# Altium PCB PCB_15122020_01BC.PcbDoc (part 8 of 9) (continued)
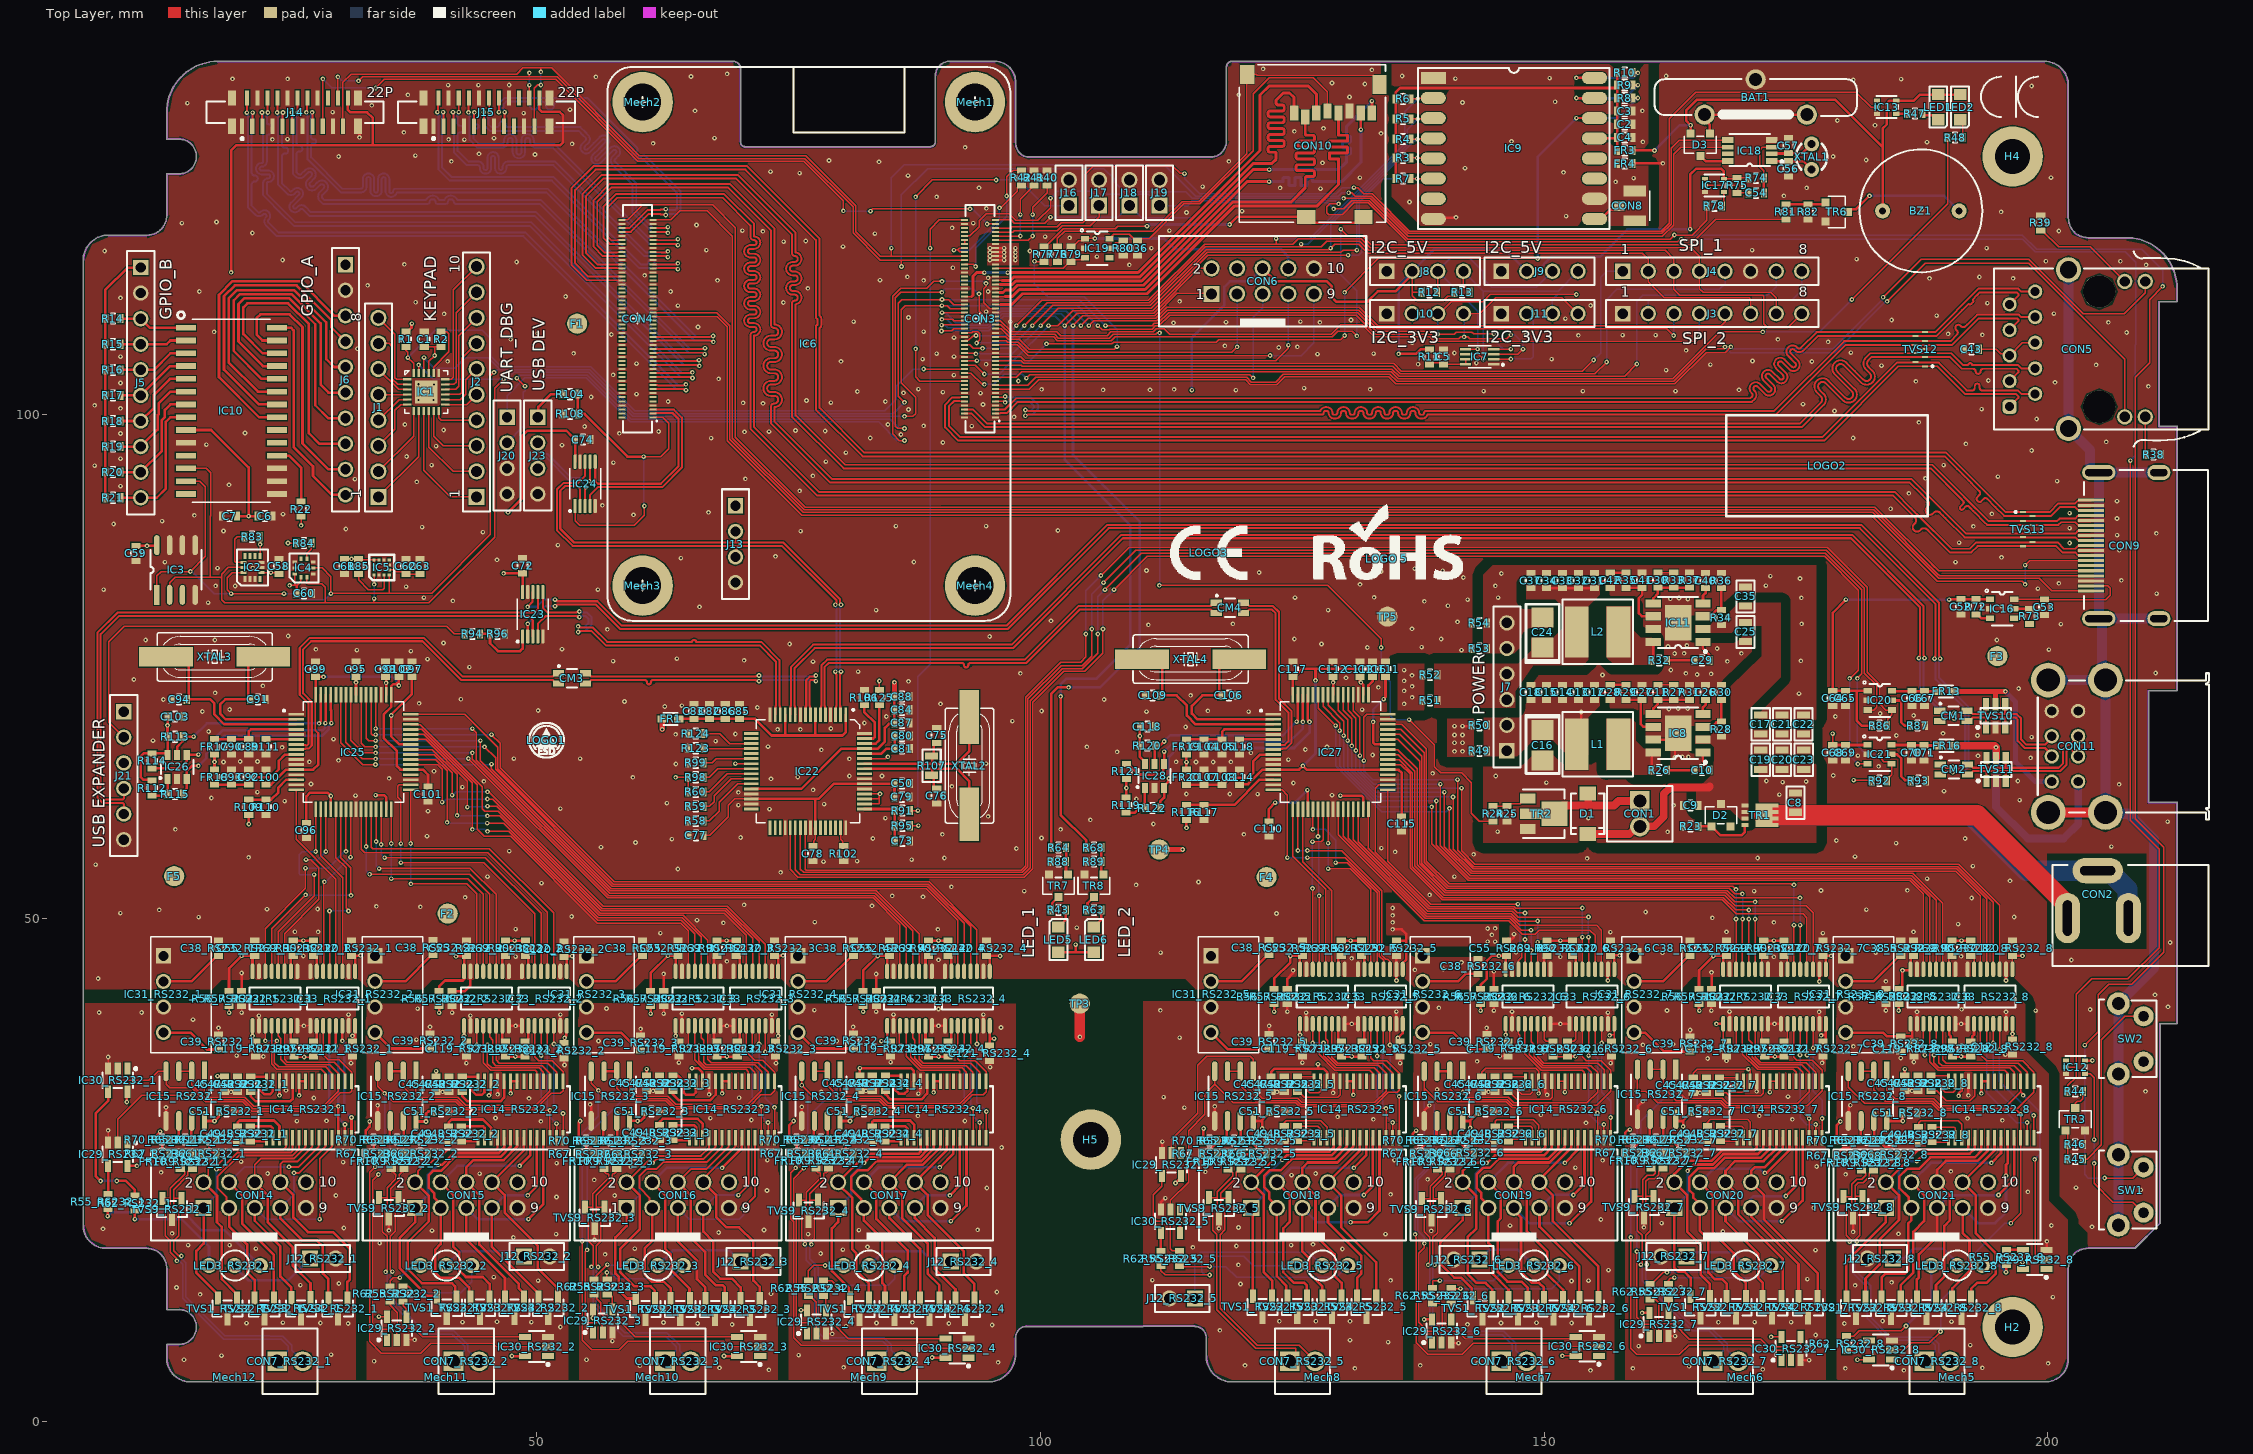
[diagram p0: Top Layer view]
## Nets (pads, with @x,y where several pads share a name; then routed paths per layer and width w, separated by ;. In a path a pad name is that pad's centre, name@x,y a point inside that pad or via, vN(x,y) a via of type N, cw(c..) or ccw(c..) an arc to the next point about the centre after c; other vN are vias at no path point) (continued)
  Top Layer w0.127: IC15_RS232_8.3@181.464,34.79 IC15_RS232_8.2@182.734,34.79 182.734,32.966 183.88,31.82 188.595,31.82 189.286,31.129 197.018,31.129 198.6,32.711 198.6,34.7 197.491,35.809 193.941,35.809 193.313,36.437 IC33_RS232_8.11@193.313,39.5
TTL_RTS_RS232_1: IC14_RS232_1.14 IC33_RS232_1.14 | length 11.5
  Top Layer w0.254: v1(30.692,37.8) IC33_RS232_1.14@30.692,39.3 ; v1(31.6,30.2) 31.605,30.195 IC14_RS232_1.14@31.605,28.2
  Bottom Layer w0.254: v1(30.692,37.8) 30.692,37.747 30.9,37.539 30.9,30.9 v1(31.6,30.2)
TTL_RTS_RS232_2: IC14_RS232_2.14 IC33_RS232_2.14 | length 11.5
  Top Layer w0.127: IC33_RS232_2.14@51.693,39.3 51.696,39.296 51.696,37.504 v1(51.7,37.5) ; v1(52.6,30.6) 52.605,30.595 IC14_RS232_2.14@52.605,28.2
  Bottom Layer w0.127: v1(51.7,37.5) 51.7,31.5 v1(52.6,30.6)
TTL_RTS_RS232_3: IC14_RS232_3.14 IC33_RS232_3.14 | length 11.5
  Top Layer w0.127: v1(72.692,36.7) IC33_RS232_3.14@72.692,39.3 ; v1(73.6,31.2) 73.603,31.197 73.603,28.203 IC14_RS232_3.14@73.605,28.2
  Bottom Layer w0.127: v1(72.692,36.7) 72.692,32.108 v1(73.6,31.2)
TTL_RTS_RS232_4: IC14_RS232_4.14 IC33_RS232_4.14 | length 11.5
  Top Layer w0.127: v1(93.692,37.5) IC33_RS232_4.14@93.692,39.3 ; IC14_RS232_4.14@94.605,28.2 94.605,30.78 v1(94.625,30.8)
  Bottom Layer w0.127: v1(93.692,37.5) 93.692,31.732 v1(94.625,30.8)
TTL_RTS_RS232_5: IC14_RS232_5.14 IC33_RS232_5.14 | length 11.7
  Top Layer w0.127: IC33_RS232_5.14@134.692,39.5 134.696,39.496 134.696,37.404 v1(134.7,37.4) ; v1(135.6,32.3) 135.605,32.295 IC14_RS232_5.14@135.605,28.2
  Bottom Layer w0.127: v1(134.7,37.4) 134.7,33.2 v1(135.6,32.3)
TTL_RTS_RS232_6: IC14_RS232_6.14 IC33_RS232_6.14 | length 11.7
  Top Layer w0.127: IC33_RS232_6.14@155.693,39.5 155.696,39.496 155.696,37.604 v1(155.7,37.6) ; IC14_RS232_6.14@156.605,28.2 v1(156.605,30.2)
  Bottom Layer w0.127: v1(155.7,37.6) 155.7,32.7 156.605,31.795 v1(156.605,30.2)
TTL_RTS_RS232_7: IC14_RS232_7.14 IC33_RS232_7.14 | length 11.7
  Top Layer w0.127: IC33_RS232_7.14@176.692,39.5 176.696,39.496 176.696,37.104 v1(176.7,37.1) ; v1(177.6,30.1) 177.603,30.097 177.603,28.203 IC14_RS232_7.14@177.605,28.2
  Bottom Layer w0.127: v1(176.7,37.1) 176.7,32.8 177.6,31.9 v1(177.6,30.1)
TTL_RTS_RS232_8: IC14_RS232_8.14 IC33_RS232_8.14 | length 12.7
  Top Layer w0.127: v1(195.2,36.935) 195.209,36.944 195.209,39.491 IC33_RS232_8.14@195.218,39.5 ; v1(198.6,30.4) 198.603,30.397 198.603,28.203 IC14_RS232_8.14@198.605,28.2
  Bottom Layer w0.127: v1(195.2,36.935) 195.2,33.8 v1(198.6,30.4)
TTL_RX_RS232_1: IC14_RS232_1.17 IC15_RS232_1.1 IC29_RS232_1.2 IC32_RS232_1.5 | length 40.3
  Top Layer w0.127: IC29_RS232_1.2@8.4,27.7 8.4,30 10.803,32.403 15.797,32.403 v1(15.8,32.4) ; IC15_RS232_1.1@17.005,34.79 17.005,32.767 17.572,32.2 21,32.2 21.903,31.297 28.793,31.297 30.3,32.805 30.3,34.6 29.443,35.457 25.137,35.457 24.6,35.995 24.6,38.012 24.318,38.295 IC32_RS232_1.5@24.318,39.3
  Bottom Layer w0.127: v1(15.8,32.4) 16.406,33.006 16.706,33.006 v1(17,33.3)
TTL_RX_RS232_2: IC14_RS232_2.17 IC15_RS232_2.1 IC29_RS232_2.2 IC32_RS232_2.5 | length 57.6
  Top Layer w0.127: v1(34.275,24.539) 33.7,23.964 33.7,9.759 34.265,9.195 35.763,9.195 36.093,8.865 IC29_RS232_2.2@36.093,8.121 ; v1(38,33.3) 38,32.797 38.597,32.2 42.15,32.2 42.95,31.4 49.9,31.4 51.305,32.805 IC14_RS232_2.17@51.305,33.8 51.305,34.6 50.548,35.357 45.943,35.357 45.63,35.67 45.63,37.887 45.317,38.2 IC32_RS232_2.5@45.317,39.3 ; v1@38.005,33.3 IC15_RS232_2.1@38.005,34.79
  Bottom Layer w0.127: v1(34.275,24.539) 35.4,25.664 35.4,31.867 36.833,33.3 v1(38,33.3)
TTL_RX_RS232_3: IC14_RS232_3.17 IC15_RS232_3.1 IC29_RS232_3.2 IC32_RS232_3.5 | length 55.1
  Top Layer w0.127: v1(55,17.06) 54.8,16.86 54.8,10.035 55.035,9.8 56.2,9.8 56.5,9.5 56.5,8.9 IC29_RS232_3.2@56.55,8.85 ; IC15_RS232_3.1@59.205,34.79 59.205,32.995 59.9,32.3 63,32.3 63.8,31.5 70.95,31.5 72.3,32.85 72.3,33.795 IC14_RS232_3.17@72.305,33.8 72.305,34.745 71.628,35.422 66.824,35.422 66.548,35.698 66.548,37.869 66.318,38.1 IC32_RS232_3.5@66.318,39.3
  Bottom Layer w0.127: v1(55,17.06) 55,28.422 v1(59.373,32.795)
TTL_RX_RS232_4: IC14_RS232_4.17 IC15_RS232_4.1 IC29_RS232_4.2 IC32_RS232_4.5 | length 55.9
  Top Layer w0.127: v1(76.512,25.15) 75.5,24.138 75.5,20.45 75.75,20.2 75.75,10.225 76.175,9.8 77.45,9.8 77.725,9.525 77.725,8.775 IC29_RS232_4.2@77.75,8.75 ; IC15_RS232_4.1@80.105,34.79 80.105,32.862 80.667,32.3 84.2,32.3 84.9,31.6 92.05,31.6 93.3,32.85 93.3,34.7 92.643,35.357 88.244,35.357 87.54,36.062 87.54,37.891 87.318,38.113 IC32_RS232_4.5@87.318,39.3
  Bottom Layer w0.127: v1(76.512,25.15) 77.5,26.138 77.5,30.8 v1(80.1,33.4)
TTL_RX_RS232_5: IC14_RS232_5.17 IC15_RS232_5.1 IC29_RS232_5.2 IC32_RS232_5.5 | length 44.6
  Top Layer w0.127: IC29_RS232_5.2@113,26.672 113,27.998 115.6,30.598 115.6,35.4 116.5,36.3 120.806,36.3 121.105,36.001 IC15_RS232_5.1@121.105,34.79 121.105,32.995 122,32.1 125.534,32.1 125.934,31.7 133.188,31.7 134.305,32.817 IC14_RS232_5.17@134.305,33.8 134.305,34.6 133.543,35.362 129.405,35.362 128.5,36.268 128.5,37.8 128.297,38.003 IC32_RS232_5.5@128.297,39.5
TTL_RX_RS232_6: IC14_RS232_6.17 IC15_RS232_6.1 IC29_RS232_6.2 IC32_RS232_6.5 | length 58.7
  Top Layer w0.127: v1(138.1,17.7) 138.1,17.271 137.529,16.7 137.529,9.871 138.4,9 139.6,9 139.829,8.771 IC29_RS232_6.2@139.829,7.85 ; IC15_RS232_6.1@141.905,34.79 v1(141.905,32.695) 142.4,32.2 146.443,32.2 147,31.643 154.243,31.643 155.303,32.703 155.303,32.83 155.305,32.832 IC14_RS232_6.17@155.305,33.8 155.3,33.805 155.3,34.7 154.643,35.357 149.889,35.357 149.038,36.208 149.038,37.398 148.718,37.718 IC32_RS232_6.5@148.718,39.5
  Bottom Layer w0.127: v1(138.1,17.7) 138.1,18.3 137.429,18.971 137.429,24.005 139.1,25.677 139.1,31.9 139.895,32.695 v1(141.905,32.695)
TTL_RX_RS232_7: IC14_RS232_7.17 IC15_RS232_7.1 IC29_RS232_7.2 IC32_RS232_7.5 | length 56
  Top Layer w0.127: v1(159.2,16.9) 159.2,10.35 159.9,9.65 161.15,9.65 161.4,9.4 IC29_RS232_7.2@161.4,8.5 ; IC15_RS232_7.1@163.073,34.965 v1(163.073,33.3) 163.073,33.026 164.003,32.097 167.688,32.097 168.186,31.6 175.155,31.6 176.305,32.75 IC14_RS232_7.17@176.305,33.8 176.305,34.7 175.583,35.422 171.39,35.422 170.65,36.163 170.65,37.568 170.318,37.9 IC32_RS232_7.5@170.318,39.5
  Bottom Layer w0.127: v1(159.2,16.9) 159.2,25.1 159.6,25.5 159.6,29.827 v1(163.073,33.3)
TTL_RX_RS232_8: IC14_RS232_8.17 IC15_RS232_8.1 IC29_RS232_8.2 IC32_RS232_8.5 | length 49.4
  Top Layer w0.127: IC15_RS232_8.1@184.004,34.79 184.004,32.896 184.851,32.049 188.689,32.049 189.381,31.357 195.907,31.357 197.305,32.755 ; IC32_RS232_8.5@188.918,39.5 188.918,37.032 189.195,36.755 189.195,35.657 189.5,35.352 196.653,35.352 197.305,34.7 IC14_RS232_8.17@197.305,33.8 197.305,32.755 ; v1(197.55,32.403) 197.55,32.49 197.305,32.735 197.305,32.755 ; v1(198.7,26.053) 198.729,26.024 198.729,16.521 199.1,16.15 199.8,16.15 IC29_RS232_8.2@199.85,16.1
  Bottom Layer w0.127: v1(197.55,32.403) 199.2,30.753 199.2,26.553 v1(198.7,26.053)
TTL_TX_RS232_1: IC14_RS232_1.12 IC15_RS232_1.4 IC30_RS232_1.2 IC33_RS232_1.13 | length 37
  Top Layer w0.127: IC30_RS232_1.2@8.4,35.05 8.4,34.2 8.7,33.9 11.5,33.9 12.4,34.8 13.185,34.8 IC15_RS232_1.4@13.195,34.79 13.195,33.505 13.56,33.14 15.74,33.14 17.136,31.743 20.811,31.743 21.713,30.84 28.982,30.84 29.442,31.3 v1(30.3,31.3)
  Top Layer w0.254: v1(30.054,37.3) 30.054,39.296 IC33_RS232_1.13@30.057,39.3 ; v1(30.3,31.3) 30.303,31.297 30.303,28.203 IC14_RS232_1.12@30.305,28.2
  Bottom Layer w0.254: v1(30.054,37.3) 30.3,37.054 v1(30.3,31.3)
TTL_TX_RS232_2: IC14_RS232_2.12 IC15_RS232_2.4 IC30_RS232_2.2 IC33_RS232_2.13 | length 74.8
  Top Layer w0.127: v1(33.949,25.3) 33.4,24.751 33.4,7.98 34.57,6.81 38.49,6.81 39.45,7.77 45.64,7.77 45.95,7.46 IC30_RS232_2.2@51.13,7.46 ; IC15_RS232_2.4@34.195,34.79 34.195,33.3 v1(34.895,32.6) 35.752,31.743 41.961,31.743 42.761,30.943 49.7,30.943 49.743,30.9 v1(51.3,30.9) 51.303,30.897 51.303,28.203 IC14_RS232_2.12@51.305,28.2 ; v1(51.058,36.9) IC33_RS232_2.13@51.058,39.3
  Bottom Layer w0.127: v1(33.949,25.3) 34.895,26.246 v1(34.895,32.6) ; v1(51.058,36.9) 51.058,31.23 51.3,30.987 v1(51.3,30.9)
TTL_TX_RS232_3: IC14_RS232_3.12 IC15_RS232_3.4 IC30_RS232_3.2 IC33_RS232_3.13 | length 74.6
  Top Layer w0.127: v1(54.5,17.9) 54.5,8.1 55.435,7.165 58.205,7.165 59.04,8 68.53,8 69.07,7.46 IC30_RS232_3.2@72.18,7.46 ; IC15_RS232_3.4@55.395,34.79 55.395,33.6 57.152,31.843 62.811,31.843 63.611,31.043 71.453,31.043 71.71,31.3 v1(72.3,31.3) 72.303,31.297 72.303,28.203 IC14_RS232_3.12@72.305,28.2 ; v1(72.057,37.5) IC33_RS232_3.13@72.057,39.3
  Bottom Layer w0.127: v1(54.5,17.9) 54.5,28.7 56.1,30.3 v1(56.1,32.9) ; v1(72.057,37.5) 72.057,31.63 72.3,31.387 v1(72.3,31.3)
TTL_TX_RS232_4: IC14_RS232_4.12 IC15_RS232_4.4 IC30_RS232_4.2 IC33_RS232_4.13 | length 74.5
  Top Layer w0.127: v1(75.7,25.2) 75.2,24.7 75.2,20.171 75.521,19.85 75.521,8.32 76.271,7.57 88.76,7.57 89.03,7.3 IC30_RS232_4.2@92.87,7.3 ; v1@76.295,33.4 IC15_RS232_4.4@76.295,34.79 ; v1@76.298,33.397 77.852,31.843 84.011,31.843 84.711,31.143 92.05,31.143 92.068,31.125 v1(93.305,31.125) IC14_RS232_4.12@93.305,28.2 ; v1(93.057,36.95) IC33_RS232_4.13@93.057,39.3
  Bottom Layer w0.127: v1(75.7,25.2) 76.9,26.4 76.9,32.8 v1(76.3,33.4) ; v1(93.057,36.95) 93.057,31.46 93.305,31.212 v1(93.305,31.125)
TTL_TX_RS232_5: IC14_RS232_5.12 IC15_RS232_5.4 IC30_RS232_5.2 IC33_RS232_5.13 | length 45
  Top Layer w0.127: IC30_RS232_5.2@112.9,21.05 112.9,21.991 114.7,23.791 114.7,28.9 116.3,30.5 116.3,32.505 117.295,33.5 ; IC15_RS232_5.4@117.295,34.79 117.295,33.5 ; v1(134,36.8) 134.029,36.829 134.029,39.471 IC33_RS232_5.13@134.057,39.5 ; IC14_RS232_5.12@134.305,28.2 v1(134.305,31.1) 133.243,31.1 133.1,31.243 125.744,31.243 125.344,31.643 119.152,31.643 117.295,33.5
  Bottom Layer w0.127: v1(134,36.8) 134,31.405 v1(134.305,31.1)
TTL_TX_RS232_6: IC14_RS232_6.12 IC15_RS232_6.4 IC30_RS232_6.2 IC33_RS232_6.13 | length 76.2
  Top Layer w0.127: v1(137.2,18.6) 137.264,18.536 137.264,18.236 137.3,18.2 137.3,7.85 138.44,6.71 141.89,6.71 142.96,7.78 151.96,7.78 152.26,7.48 IC30_RS232_6.2@155.44,7.48 ; v1(138.086,32.525) 138.095,32.534 138.095,33.105 ; IC15_RS232_6.4@138.095,34.79 138.095,33.105 ; IC33_RS232_6.13@155.058,39.5 155.066,39.491 155.066,36.709 v1(155.075,36.7) ; IC14_RS232_6.12@155.305,28.2 155.303,28.203 v1(155.303,30.65) 154.767,31.186 146.811,31.186 146.253,31.743 139.457,31.743 138.095,33.105
  Bottom Layer w0.127: v1(137.2,18.6) 137.2,24.1 138.086,24.986 v1(138.086,32.525) ; v1(155.075,36.7) 155.075,36.284 155.303,36.057 v1(155.303,30.65)
TTL_TX_RS232_7: IC14_RS232_7.12 IC15_RS232_7.4 IC30_RS232_7.2 IC33_RS232_7.13 | length 75.1
  Top Layer w0.127: v1(158.6,18.3) 158.6,7.29 159.21,6.68 163.43,6.68 164.34,7.59 170.52,7.59 171.01,7.1 174.23,7.1 174.49,6.84 174.49,6.13 IC30_RS232_7.2@174.51,6.11 ; IC15_RS232_7.4@159.263,34.965 159.263,33.637 159.219,33.592 v1(159.219,32.795) 160.105,32.795 161.26,31.64 167.499,31.64 167.996,31.143 175.26,31.143 v1(176.303,30.1) 176.303,28.203 IC14_RS232_7.12@176.305,28.2 ; IC33_RS232_7.13@176.057,39.5 176.079,39.479 176.079,36.421 v1(176.1,36.4)
  Bottom Layer w0.127: v1(158.6,18.3) 158.6,26.4 159.219,27.019 v1(159.219,32.795) ; v1(176.1,36.4) 176.1,36.313 176.303,36.11 v1(176.303,30.1)
TTL_TX_RS232_8: IC14_RS232_8.12 IC15_RS232_8.4 IC30_RS232_8.2 IC33_RS232_8.13 | length 60.7
  Top Layer w0.127: IC15_RS232_8.4@180.194,34.79 180.194,33.206 181.808,31.592 188.5,31.592 189.192,30.9 196.9,30.9 v1(197.3,30.5) 197.303,30.497 197.303,28.203 IC14_RS232_8.12@197.305,28.2 197.305,20.68 v1(196.325,19.7) ; IC30_RS232_8.2@184.55,7.12 185.73,7.12 186.435,7.825 188.225,7.825 v1(189.35,8.95) ; IC33_RS232_8.13@194.583,39.5 194.591,39.491 194.591,37.609 v1(194.6,37.6)
  Bottom Layer w0.127: v1(189.35,8.95) 189.35,12 192.275,14.925 192.275,16.275 195.7,19.7 v1(196.325,19.7) ; v1(194.6,37.6) 194.6,33.2 v1(197.3,30.5)
USB_1__N: CM3.1 IC25.7 | length 39
  Top Layer w0.206: IC25.7@26.12,67.23 26.157,67.193 26.985,67.193 27.031,67.146 27.203,67.146 27.323,67.267 27.323,71.309 26.467,72.165 26.467,76.813 27.462,77.808 38.792,77.808 42.634,73.966 51.572,73.966 51.693,74.087 51.693,74.103 51.89,74.3 CM3.1@52.14,74.3
USB_1__P: CM3.4 IC25.8 | length 39
  Top Layer w0.206: IC25.8@26.12,66.73 26.157,66.767 26.985,66.767 27.031,66.814 27.341,66.814 27.656,67.129 27.656,71.447 26.8,72.303 26.8,76.675 27.6,77.475 38.654,77.475 42.496,73.634 51.572,73.634 51.693,73.513 51.693,73.497 51.89,73.3 CM3.4@52.14,73.3
USB_1_N: CM3.2 IC22.9 | length 27.8
  Top Layer w0.206: CM3.2@54.84,74.3 55.09,74.3 55.287,74.103 55.287,74.087 55.407,73.966 71.743,73.966 71.809,74.032 72.009,74.032 v1(72.057,74.081) ; IC22.9@76.662,70.185 76.699,70.222 76.699,71.029 76.746,71.075 76.746,73.634 77.079,73.966 77.586,73.966 v1(77.7,74.081)
  Bottom Layer w0.206: v1(72.057,74.081) 72.172,73.966 77.385,73.966 77.451,74.032 77.651,74.032 v1(77.7,74.081)
USB_1_P: CM3.3 IC22.8 | length 27.7
  Top Layer w0.206: CM3.3@54.84,73.3 55.09,73.3 55.287,73.497 55.287,73.513 55.407,73.634 60.3,73.634 60.506,73.634 60.711,73.634 cw(c60.711,73.428) 60.917,73.428 60.917,73.402 ccw(c61.123,73.402) 61.123,73.197 ccw(c61.123,73.402) 61.329,73.402 61.329,73.428 cw(c61.534,73.428) 61.534,73.634 61.7,73.634 71.743,73.634 71.809,73.568 72.009,73.568 v1(72.057,73.519) ; IC22.8@77.162,70.185 77.126,70.222 77.126,71.029 77.079,71.075 77.079,73.496 77.216,73.634 77.586,73.634 v1(77.7,73.519)
  Bottom Layer w0.206: v1(72.057,73.519) 72.172,73.634 77.385,73.634 77.451,73.568 77.651,73.568 v1(77.7,73.519)
USB_2__N: CM4.3 IC27.7 | length 18.4
  Top Layer w0.206: CM4.3@120.15,80.3 120.4,80.3 120.597,80.497 120.597,80.513 120.718,80.634 122.946,80.634 123.342,80.237 123.342,71.658 124.6,70.4 124.6,67.543 124.249,67.193 123.157,67.193 IC27.7@123.12,67.23
USB_2__P: CM4.2 IC27.8 | length 19.5
  Top Layer w0.206: CM4.2@120.15,81.3 120.4,81.3 120.597,81.103 120.597,81.087 120.718,80.966 123.084,80.966 123.675,80.375 123.675,71.796 124.933,70.538 124.933,67.406 124.341,66.814 124.031,66.814 123.985,66.767 123.157,66.767 IC27.8@123.12,66.73
USB_2_N: CM4.4 IC22.5 | length 46.7
  Top Layer w0.206: IC22.5@78.662,70.185 78.626,70.222 78.626,71.029 78.579,71.075 78.579,74.929 78.962,75.312 91.8,75.312 92.006,75.312 92.211,75.312 cw(c92.211,75.106) 92.417,75.106 92.417,75.081 ccw(c92.623,75.081) 92.623,74.875 ccw(c92.623,75.081) 92.829,75.081 92.829,75.106 cw(c93.034,75.106) 93.034,75.312 93.24,75.312 93.6,75.312 98.583,75.312 103.904,80.634 116.882,80.634 117.003,80.513 117.003,80.497 117.2,80.3 CM4.4@117.45,80.3
USB_2_P: CM4.1 IC22.6 | length 46.7
  Top Layer w0.206: IC22.6@78.162,70.185 78.199,70.222 78.199,71.029 78.246,71.075 78.246,75.067 78.824,75.645 98.445,75.645 103.766,80.966 116.882,80.966 117.003,81.087 117.003,81.103 117.2,81.3 CM4.1@117.45,81.3
USB_BOOT_N: IC24.7 J23.2 | length 9.3
  Top Layer w0.206: v1@55.127,93.3 v1(55.2,93.373) 55.3,93.473 IC24.7@55.3,95.3
  Bottom Layer w0.206: J23.2@50.1,97.17 50.1,96.187 50.221,96.066 51.062,96.066 53.426,93.703 54.567,93.703 54.877,93.393 55.18,93.393 v1(55.2,93.373)
USB_BOOT_P: IC24.3 J23.3 | length 9
  Top Layer w0.206: IC24.3@54.8,90.9 54.8,92.677 54.87,92.747 v1(54.87,92.75)
  Bottom Layer w0.206: J23.3@50.1,94.63 50.1,95.613 50.221,95.734 50.925,95.734 53.288,93.37 54.429,93.37 54.823,92.976 54.823,92.797 v1(54.87,92.75)
USB_EX_N: IC23.7 J21.5 | length 66.6
  Top Layer w0.206: J21.5@9,60.32 9,61.303 8.879,61.424 6.91,61.424 6.367,61.966 6.367,78.309 8.391,80.333 49.77,80.333 50.1,80.663 IC23.7@50.1,82.35
USB_EX_P: IC23.3 J21.4 | length 65
  Top Layer w0.206: J21.4@9,62.86 9,61.877 8.879,61.756 7.048,61.756 6.7,62.104 6.7,78.171 8.529,80 48.8,80 49.153,80 49.6,79.553 IC23.3@49.6,77.95
USB_HUB_N: IC22.3 IC24.8 J13.3 | length 52.1
  Top Layer w0.206: IC24.8@54.8,95.3 54.8,93.915 54.092,93.207 52.662,93.207 51.995,92.54 51.995,88.511 53.556,86.95 69.8,86.95 ; J13.3@69.72,85.84 69.8,85.92 69.8,86.95 ; v1(79.632,74.458) 79.68,74.41 79.68,74.21 79.746,74.144 79.746,71.075 79.699,71.029 79.699,70.222 IC22.3@79.662,70.185 ; v1(79.632,81.1) 79.746,81.214 79.746,81.534 74.33,86.95 69.8,86.95
  Bottom Layer w0.206: v1(79.632,74.458) 79.746,74.573 79.746,80.405 ; v1(79.632,81.1) 79.68,81.051 79.68,80.851 79.746,80.785 79.746,80.443
USB_HUB_P: IC22.2 IC24.2 J13.2 | length 51.2
  Top Layer w0.206: IC24.2@54.3,90.9 54.3,92.574 54,92.874 52.8,92.874 52.328,92.402 52.328,88.649 52.352,88.624 53.693,87.283 69.8,87.283 ; J13.2@69.72,88.38 69.8,88.3 69.8,87.283 ; IC22.2@80.162,70.185 80.126,70.222 80.126,71.029 80.079,71.075 80.079,74.144 80.145,74.21 80.145,74.41 v1(80.193,74.458) ; v1(80.193,81.1) 80.079,81.214 80.079,81.671 74.468,87.283 69.8,87.283
  Bottom Layer w0.206: 80.079,80.405 80.079,74.573 v1(80.193,74.458) ; 80.079,80.443 80.079,80.785 80.145,80.851 80.145,81.051 v1(80.193,81.1)
USB_N: CON4.3 IC24.6 | length 18.7
  Top Layer w0.206: IC24.6@55.8,95.3 55.8,93.373 56.063,93.11 62.314,93.11 64.062,94.858 64.062,99.54 63.468,100.134 61.818,100.134 61.784,100.1 CON4.3@61.54,100.1 CON4.3@61.296,100.1
USB_OTG_ID: CON4.1 IC24.1 R104.1 R108.2 | length 32.2
  Top Layer w0.127: IC24.1@53.8,90.9 53.8,89.425 54.25,88.975 59.675,88.975 60.67,89.97 v1(60.67,90.898) ; v1(60.6,95.8) 62.3,95.8 63.1,96.6 63.1,99.1 62.5,99.7 CON4.1@61.54,99.7
  Top Layer w0.254: R104.1@54.05,102 R108.2@54.05,100.05 54.75,100.05 59,95.8 v1(60.6,95.8)
  Bottom Layer w0.127: v1(60.6,95.8) 60.635,95.765 60.635,90.933 v1(60.67,90.898)
USB_P: CON4.5 IC24.4 | length 19.7
  Top Layer w0.206: IC24.4@55.3,90.9 55.3,92.014 56.063,92.777 62.452,92.777 64.395,94.72 64.395,99.677 63.606,100.466 61.818,100.466 61.784,100.5 CON4.5@61.54,100.5 CON4.5@61.296,100.5
USB_PORT1_EN: IC22.45
USB_PORT2_EN: IC22.43
USB_PORT3__N: CM1.3 CON11.A2 TVS10.1 TVS10.3 | length 13.5
  Top Layer w0.206: CM1.3@191.975,69.575 192.225,69.575 192.422,69.772 192.422,69.788 192.543,69.909 193.875,69.909 ; TVS10.1@193.875,68.925 193.875,69.909 ; TVS10.3@195.775,68.925 195.775,69.909 ; CON11.A2@200.39,66.05 200.39,66.219 199.725,66.884 197.721,66.884 197.005,67.599 197.005,69.695 196.791,69.909 195.775,69.909 ; 193.875,69.909 195.775,69.909
USB_PORT3__P: CM1.2 CON11.A3 TVS10.4 TVS10.6 | length 13.5
  Top Layer w0.206: CM1.2@191.975,70.575 192.225,70.575 192.422,70.378 192.422,70.362 192.543,70.241 193.875,70.241 ; TVS10.6@193.875,71.225 193.875,70.241 ; TVS10.4@195.775,71.225 195.775,70.241 ; CON11.A3@200.39,68.05 200.39,67.881 199.725,67.216 197.859,67.216 197.338,67.737 197.338,69.833 196.929,70.241 195.775,70.241 ; 193.875,70.241 195.775,70.241
USB_PORT3_EN: IC20.3 IC22.39 | length 151.3
  Top Layer w0.127: IC22.39@76.162,58.958 76.162,54.866 76.5,54.529 98.199,54.529 98.759,55.089 98.759,71.744 102.082,75.067 104.164,75.067 105.1,76.002 v1(105.1,78.69) ; v1(106.25,83.3) 109.45,86.5 178.025,86.5 181.8,82.725 181.8,74.305 183,73.105 183,70.929 182.71,70.64 182.134,70.64 IC20.3@182.124,70.65
  Bottom Layer w0.127: v1(105.1,78.69) 105.1,82.15 v1(106.25,83.3)
USB_PORT3_N: CM1.4 IC22.11 | length 139.1
  Top Layer w0.206: IC22.11@75.662,70.185 75.626,70.222 75.626,71.029 75.579,71.075 75.579,74.8 77.579,76.8 97.271,76.8 108.171,87.7 180.458,87.7 187.316,80.842 187.316,76.115 187.25,76.049 187.25,75.849 v1(187.201,75.8) ; CM1.4@189.275,69.575 189.525,69.575 189.722,69.772 189.722,69.788 189.843,69.909 190.586,69.909 v1(190.7,69.794)
  Bottom Layer w0.206: v1(187.201,75.8) 187.25,75.751 187.25,75.551 187.316,75.485 187.316,72.584 189.991,69.909 190.385,69.909 190.451,69.843 190.651,69.843 v1(190.7,69.794)
USB_PORT3_P: CM1.1 IC22.12 | length 139.6
  Top Layer w0.206: IC22.12@75.162,70.185 75.199,70.222 75.199,71.029 75.246,71.075 75.246,74.938 77.441,77.133 97.133,77.133 108.033,88.033 180.596,88.033 187.648,80.98 187.648,76.115 187.714,76.049 187.714,75.849 v1(187.763,75.8) ; CM1.1@189.275,70.575 189.525,70.575 189.722,70.378 189.722,70.362 189.843,70.241 190.586,70.241 v1(190.7,70.356)
  Bottom Layer w0.206: v1(187.763,75.8) 187.714,75.751 187.714,75.551 187.648,75.485 187.648,72.722 190.129,70.241 190.385,70.241 190.451,70.307 190.651,70.307 v1(190.7,70.356)
USB_PORT4__N: CM2.3 CON11.B2 TVS11.1 TVS11.3 | length 15.2
  Top Layer w0.206: CM2.3@192.025,64.25 192.275,64.25 192.472,64.447 192.472,64.463 192.593,64.584 193.925,64.584 ; TVS11.1@193.925,63.6 193.925,64.584 ; TVS11.3@195.825,63.6 195.825,64.584 ; CON11.B2@203.01,66.05 202.176,66.884 201.85,66.557 201.85,65.22 201.214,64.584 195.825,64.584 ; 193.925,64.584 195.825,64.584
USB_PORT4__P: CM2.2 CON11.B3 TVS11.4 TVS11.6 | length 15.2
  Top Layer w0.206: CM2.2@192.025,65.25 192.275,65.25 192.472,65.053 192.472,65.037 192.593,64.916 193.925,64.916 ; TVS11.6@193.925,65.9 193.925,64.916 ; TVS11.4@195.825,65.9 195.825,64.916 ; CON11.B3@203.01,68.05 202.176,67.216 202.039,67.216 201.517,66.695 201.517,65.357 201.076,64.916 195.825,64.916 ; 193.925,64.916 195.825,64.916
USB_PORT4_EN: IC21.3 IC22.37 | length 156.7
  Top Layer w0.127: IC22.37@75.162,58.958 75.162,54.831 75.922,54.071 98.388,54.071 99.217,54.9 99.217,71.4 102.317,74.5 104.4,74.5 106.2,76.3 v1(106.2,78.69) ; v1(107.3,82.603) 110.597,85.9 177.842,85.9 181.2,82.542 181.2,74.6 180.4,73.8 v1(180.32,73.8) ; v1(181.135,65.296) 181.139,65.3 IC21.3@182.099,65.3
  Bottom Layer w0.127: v1(106.2,78.69) 106.2,81.503 v1(107.3,82.603) ; v1(180.32,73.8) 180.32,66.111 v1(181.135,65.296)
USB_PORT4_N: CM2.4 IC23.8 | length 171.3
  Top Layer w0.206: v1(49.084,80.9) 49.553,81.369 49.553,82.303 IC23.8@49.6,82.35 ; v1(51.8,81.6) 51.866,81.6 52.02,81.446 56.014,81.446 58.437,79.023 96.623,79.023 106.635,89.035 181.469,89.035 189.2,81.304 189.2,76.066 189.266,76 189.266,75.8 v1(189.314,75.751) ; CM2.4@189.325,64.25 189.575,64.25 189.772,64.447 189.772,64.463 189.893,64.584 190.441,64.584 v1(190.556,64.469)
  Bottom Layer w0.206: v1(49.084,80.9) 49.977,80.9 50.677,81.6 v1(51.8,81.6) ; v1(189.314,75.751) 189.266,75.703 189.266,75.503 189.2,75.437 189.2,73.844 192.133,70.912 192.133,65.002 191.714,64.584 190.87,64.584 190.805,64.518 190.604,64.518 v1(190.556,64.469)
USB_PORT4_OUT_N: IC22.15 IC23.6 | length 35.5
  Top Layer w0.206: IC23.6@50.6,82.35 50.6,80.8 51.087,80.313 53.788,80.313 53.91,80.313 53.976,80.379 54.176,80.379 v1(54.225,80.427) ; v1(54.1,78.395) 54.214,78.509 55.42,78.509 56.854,77.075 72.125,77.075 73.746,75.454 73.746,71.075 73.699,71.029 73.699,70.222 IC22.15@73.662,70.185
  Bottom Layer w0.206: v1(54.1,78.395) 54.149,78.444 54.349,78.444 54.415,78.509 54.828,78.509 55.443,79.124 55.443,79.743 55.443,79.846 54.976,80.313 54.339,80.313 v1(54.225,80.427)
USB_PORT4_OUT_P: IC22.14 IC23.4 | length 35.5
  Top Layer w0.206: IC23.4@50.1,77.95 50.1,79.2 50.86,79.96 50.929,79.96 50.949,79.98 53.788,79.98 53.91,79.98 53.976,79.914 54.176,79.914 v1(54.225,79.866) ; v1(54.1,78.957) 54.214,78.842 55.558,78.842 56.992,77.408 65.2,77.408 65.406,77.408 cw(c65.603,77.408) 65.603,77.605 65.62,77.605 cw(c65.62,77.408) 65.817,77.408 66.1,77.408 72.263,77.408 74.079,75.592 74.079,71.075 74.126,71.029 74.126,70.222 IC22.14@74.162,70.185
  Bottom Layer w0.206: v1(54.1,78.957) 54.149,78.908 54.349,78.908 54.415,78.842 54.69,78.842 55.11,79.262 55.11,79.708 54.839,79.98 54.339,79.98 v1(54.225,79.866)
USB_PORT4_P: CM2.1 IC23.2 | length 170.2
  Top Layer w0.206: IC23.2@49.1,77.95 v1(49.1,79.212) ; v1(51.8,80.959) 51.866,80.959 52.02,81.113 55.876,81.113 58.299,78.69 96.761,78.69 106.773,88.703 181.331,88.703 188.867,81.167 188.867,76.066 188.801,76 188.801,75.8 v1(188.753,75.751) ; CM2.1@189.325,65.25 189.575,65.25 189.772,65.053 189.772,65.037 189.893,64.916 190.441,64.916 v1(190.556,65.031)
  Bottom Layer w0.206: v1(49.1,79.212) 50.847,80.959 v1(51.8,80.959) ; v1(188.753,75.751) 188.801,75.703 188.801,75.503 188.867,75.437 188.867,73.707 191.8,70.774 191.8,65.14 191.577,64.916 190.87,64.916 190.805,64.982 190.604,64.982 v1(190.556,65.031)
USB_PWR_3: CON11.A1 FR13.2 TVS10.5 | length 18.2
  Top Layer w0.5: FR13.2@190.725,72.501 194.812,72.501 ; TVS10.5@194.825,71.225 194.812,71.238 194.812,72.501 ; v1(195.775,72.5) 195.774,72.501 194.812,72.501
  Bottom Layer w0.5: v1(195.775,72.5) 196.8,71.475 196.8,65.5 198.75,63.55 CON11.A1@200.39,63.55
USB_PWR_4: CON11.B1 FR16.2 TVS11.5 | length 25.4
  Top Layer w0.762: FR16.2@190.775,67.1 194.7,67.1 v1(194.85,66.95) 194.875,66.925 TVS11.5@194.875,65.9
  Bottom Layer w0.762: v1(194.85,66.95) 194.85,61.05 198,57.9 201.575,57.9 203.01,59.335 CON11.B1@203.01,63.55
VDAC_COMP: CON4.11
WL_nDisable: CON3.89 R40.2 | length 9.5
  Top Layer w0.127: CON3.89@95.553,117.286 98.803,117.286 v1(99.217,117.7) ; v1(99.217,119.825) 99.217,120.542 100.65,121.975 R40.2@100.65,122.725
  Bottom Layer w0.127: v1(99.217,117.7) v1(99.217,119.825)
pads on no net: CON5.MH1 CON5.MH2 CON6.4 CON9.14 CON14.10 CON15.10 CON16.10 CON17.10 CON18.10 CON19.10 CON20.10 CON21.10 D2.2 F1.1 F2.1 F3.1 F4.1 F5.1 H2.1 H4.1 H5.1 IC2.4 IC2.9 IC2.10 IC2.11 IC3.3 IC4.7 IC5.7 IC9.7 IC9.11 IC9.12 IC10.11 IC10.14 IC10.19 IC10.20 IC12.1 IC13.1 IC14_RS232_1.20 IC14_RS232_1.21 IC14_RS232_2.20 IC14_RS232_2.21 IC14_RS232_3.20 IC14_RS232_3.21 IC14_RS232_4.20 IC14_RS232_4.21 IC14_RS232_5.20 IC14_RS232_5.21 IC14_RS232_6.20 IC14_RS232_6.21 IC14_RS232_7.20 IC14_RS232_7.21 IC14_RS232_8.20 IC14_RS232_8.21 IC16.4 IC17.1 IC18.7 IC19.4 IC22.17 IC22.18 IC22.21 IC22.32 IC22.33 IC22.34 IC22.35 IC22.56 IC25.36 IC27.36 IC29_RS232_1.1 IC29_RS232_2.1 IC29_RS232_3.1 IC29_RS232_4.1 IC29_RS232_5.1 IC29_RS232_6.1 IC29_RS232_7.1 IC29_RS232_8.1 IC30_RS232_1.1 IC30_RS232_2.1 IC30_RS232_3.1 IC30_RS232_4.1 IC30_RS232_5.1 IC30_RS232_6.1 IC30_RS232_7.1 IC30_RS232_8.1 J13.1 J14.18 J15.17 J15.18 Mech1.1 Mech2.1 Mech3.1 Mech4.1